# KiCad board 6502PC-6U.kicad_pcb
title: 6502PC ISA; date: 2025-12-21; rev: 12/21/2025 002; company: https://github.com/danwerner21/6502PC
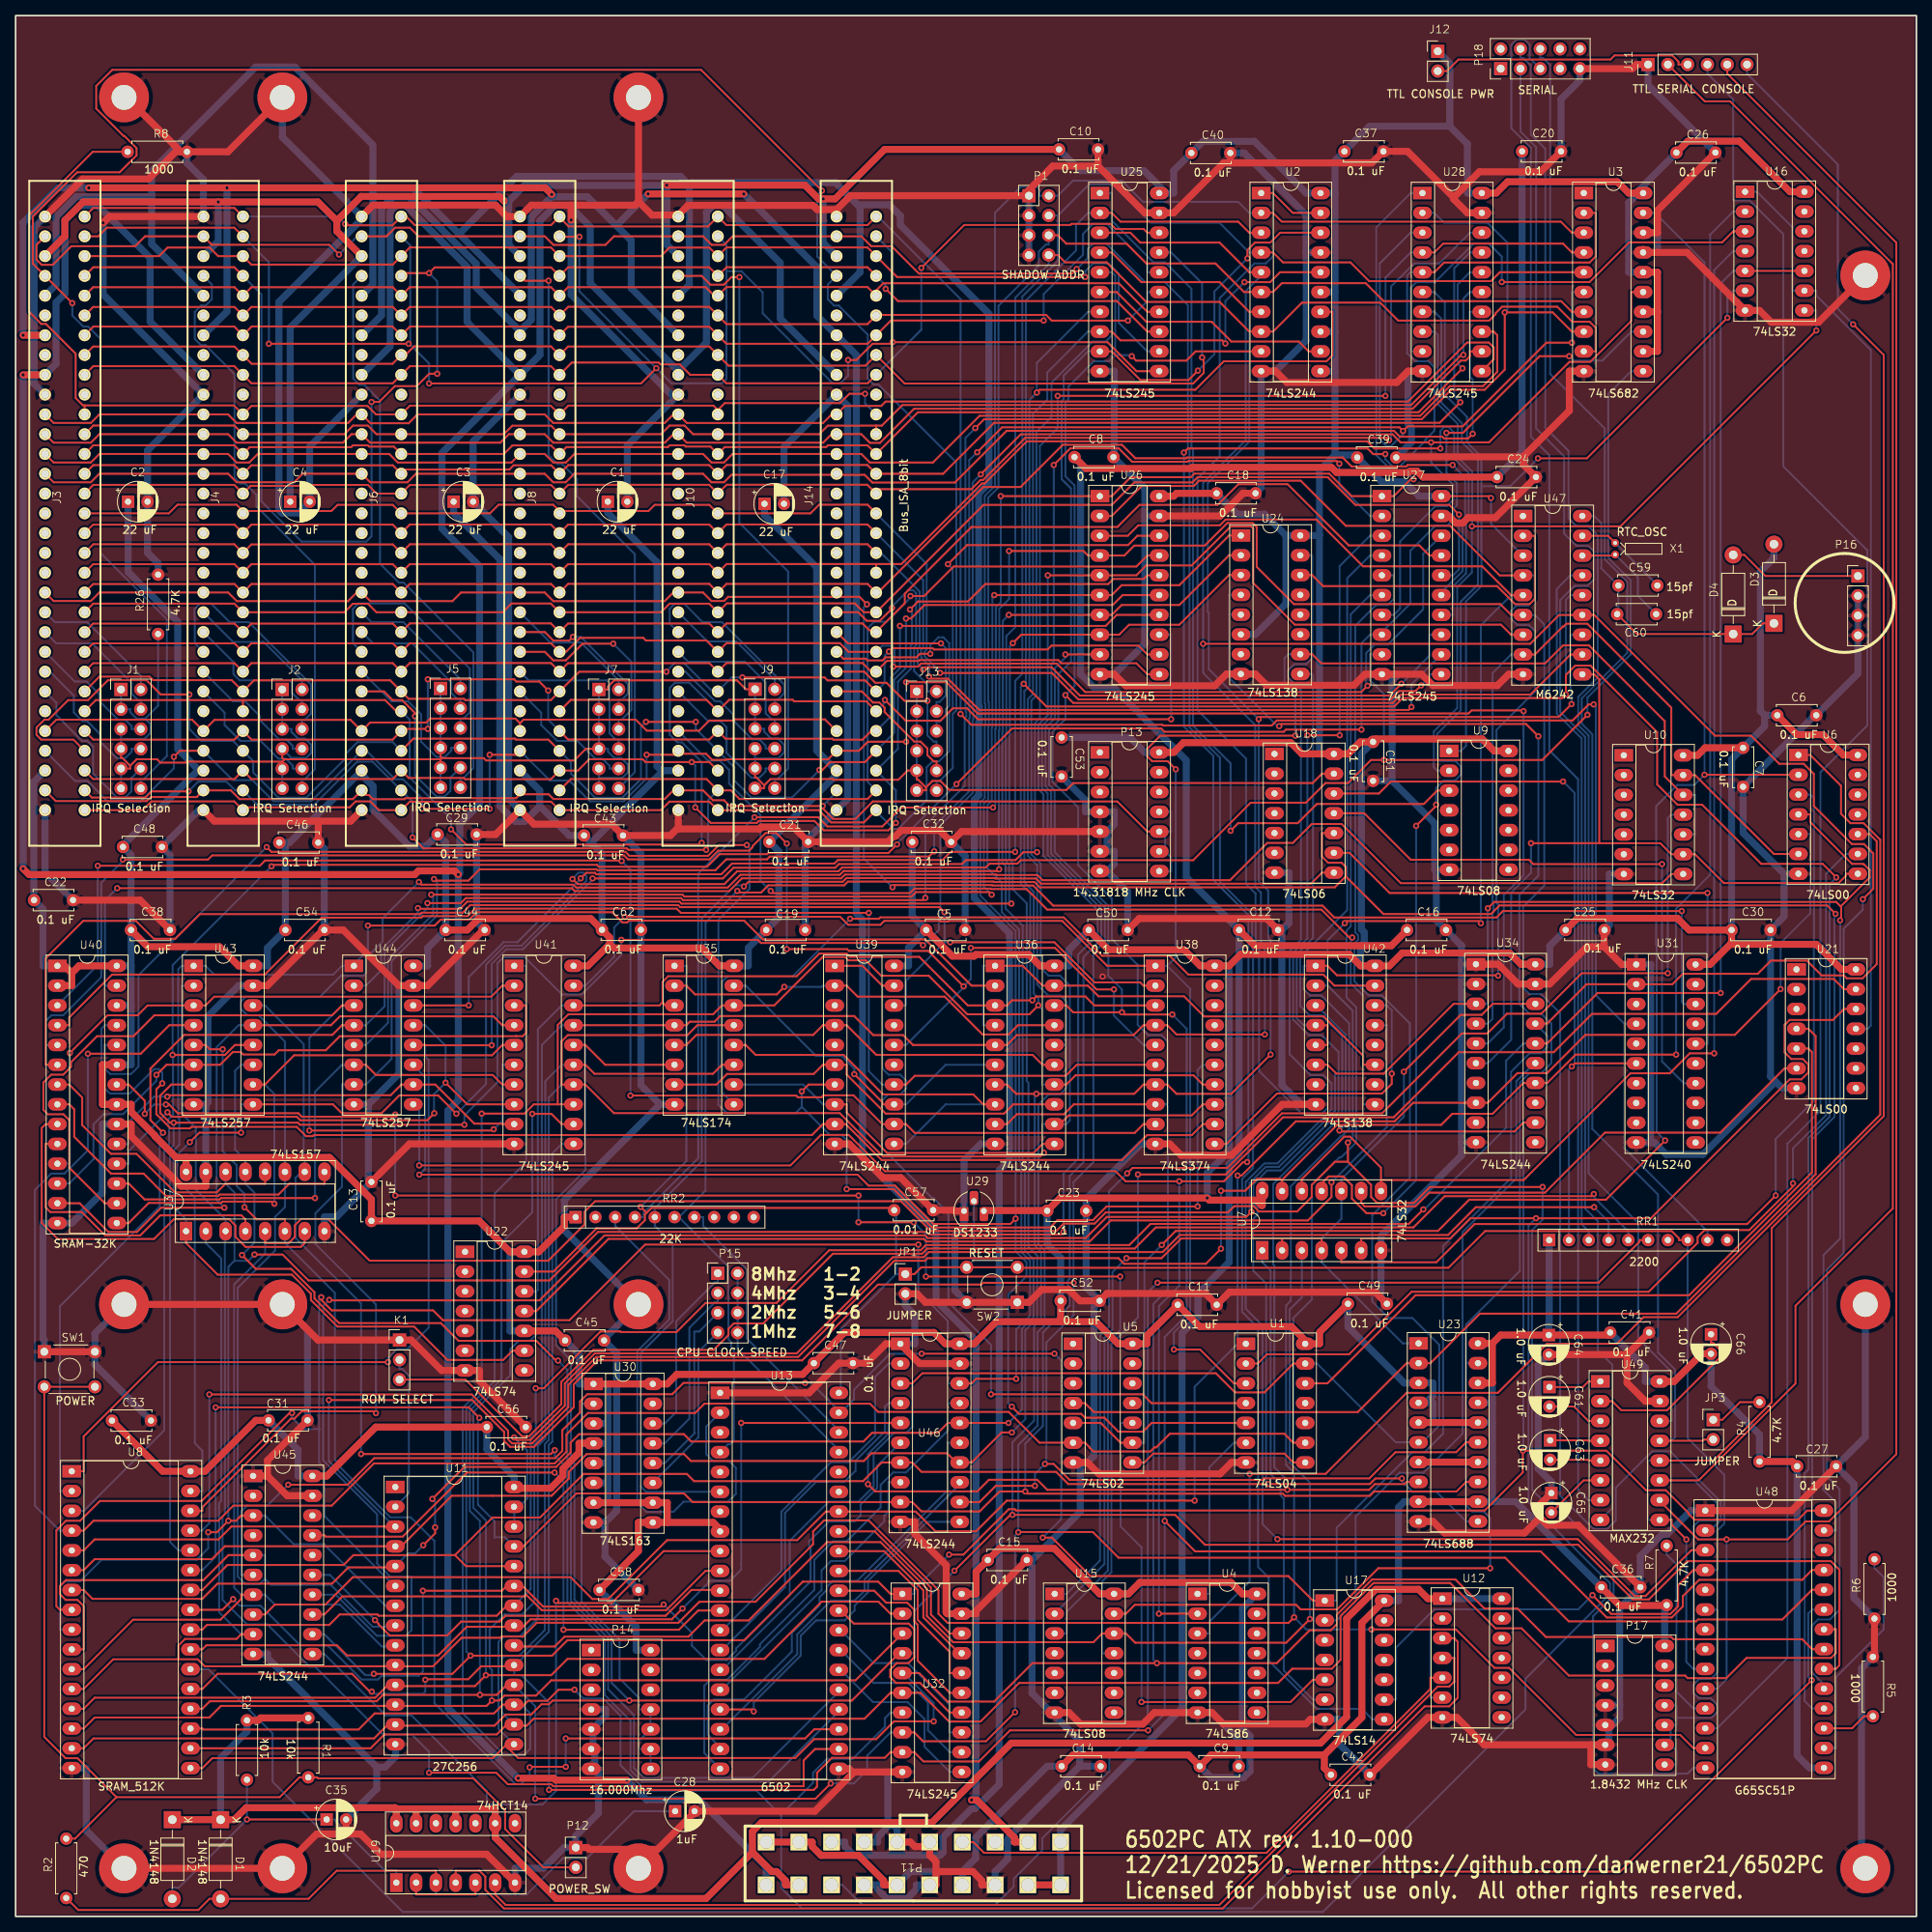
[diagram p0: board, top side]
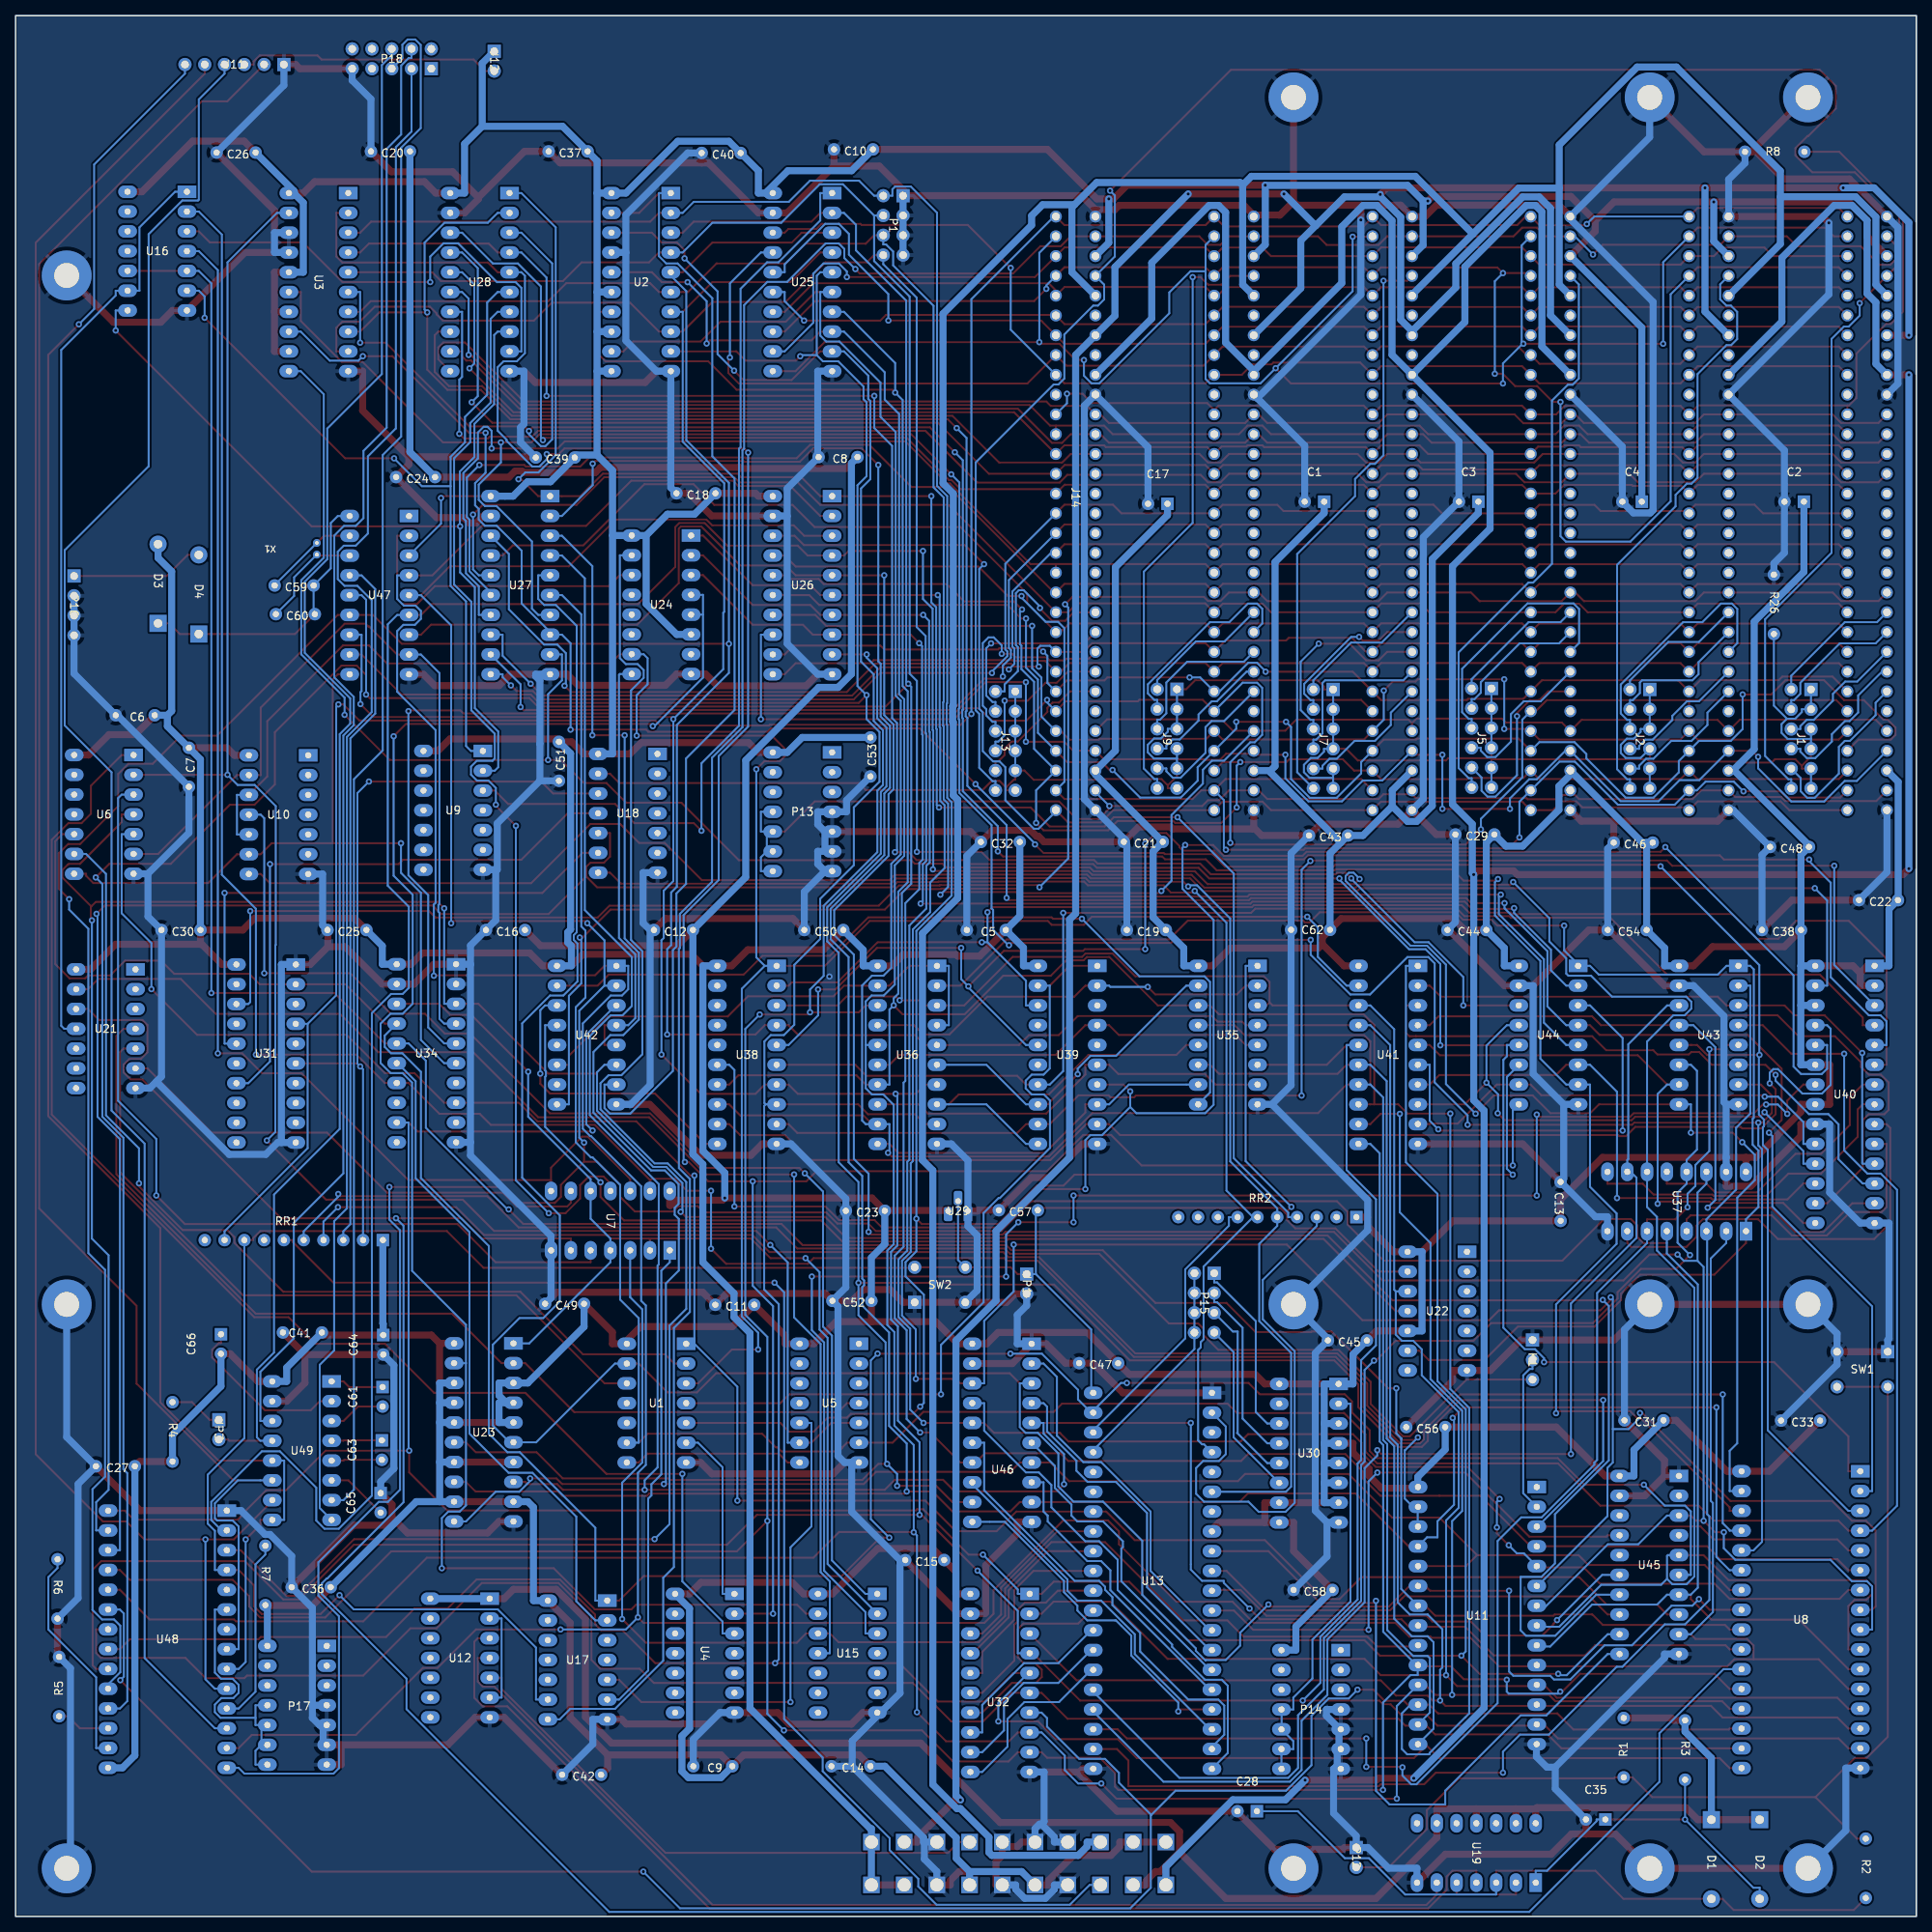
[diagram p1: board, bottom side, seen from below]

Outline 244 x 244 mm; copper layers: Top, Bottom. Coordinates in mm from the lower left corner of the outline.
Outline path: rectangle 0,244 244,0
Stack: Top 0.035mm / dielectric 1.51mm FR4 er 4.5 / Bottom 0.035mm

## Placement (name value [footprint] x y rotation side)
C1  22 uF  [STD_DDW_PCAP]  77.38 181.6 0 top
C2  22 uF  [STD_DDW_PCAP]  15.8 181.6 0 top
C3  22 uF  [STD_DDW_PCAP]  57.58 181.6 0 top
C4  22 uF  [STD_DDW_PCAP]  36.6 181.6 0 top
C5  0.1 uF  [STD_DDW_CAP]  119.39 126.64 0 top
C6  0.1 uF  [STD_DDW_CAP]  228.64 154.21 0 top
C7  0.1 uF  [STD_DDW_CAP]  221.77 147.51 270 top
C8  0.1 uF  [STD_DDW_CAP]  138.42 187.35 0 top
C9  0.1 uF  [STD_DDW_CAP]  154.5 19.3 0 top
C10  0.1 uF  [STD_DDW_CAP]  136.44 226.85 0 top
C11  0.1 uF  [STD_DDW_CAP]  151.68 78.54 0 top
C12  0.1 uF  [STD_DDW_CAP]  159.55 126.64 0 top
C13  0.1 uF  [STD_DDW_CAP]  45.65 91.78 90 top
C14  0.1 uF  [STD_DDW_CAP]  136.77 19.3 0 top
C15  0.1 uF  [STD_DDW_CAP]  127.3 45.77 0 top
C16  0.1 uF  [STD_DDW_CAP]  181.11 126.64 0 top
C17  22 uF  [STD_DDW_PCAP]  97.49 181.32 0 top
C18  0.1 uF  [STD_DDW_CAP]  156.66 182.7 0 top
C19  0.1 uF  [STD_DDW_CAP]  98.85 126.64 0 top
C20  0.1 uF  [STD_DDW_CAP]  195.88 226.59 0 top
C21  0.1 uF  [STD_DDW_CAP]  99.24 137.97 0 top
C22  0.1 uF  [STD_DDW_CAP]  4.87 130.48 0 top
C23  0.1 uF  [STD_DDW_CAP]  134.92 90.6 0 top
C24  0.1 uF  [STD_DDW_CAP]  192.65 184.78 0 top
C25  0.1 uF  [STD_DDW_CAP]  201.46 126.64 0 top
C26  0.1 uF  [STD_DDW_CAP]  215.69 226.44 0 top
C27  0.1 uF  [STD_DDW_CAP]  231.18 57.81 0 top
C28  1uF  [STD_DDW_PCAP]  86.01 13.5 0 top
C29  0.1 uF  [STD_DDW_CAP]  56.67 138.91 0 top
C30  0.1 uF  [STD_DDW_CAP]  222.77 126.64 0 top
C31  0.1 uF  [STD_DDW_CAP]  34.97 63.7 0 top
C32  0.1 uF  [STD_DDW_CAP]  117.59 137.95 0 top
C33  0.1 uF  [STD_DDW_CAP]  14.87 63.67 0 top
C35  10uF  [STD_DDW_PCAP]  41.28 12.44 0 top
C36  0.1 uF  [STD_DDW_CAP]  206.05 42.28 0 top
C37  0.1 uF  [STD_DDW_CAP]  173.07 226.59 0 top
C38  0.1 uF  [STD_DDW_CAP]  17.31 126.64 0 top
C39  0.1 uF  [STD_DDW_CAP]  174.72 187.3 0 top
C40  0.1 uF  [STD_DDW_CAP]  153.42 226.39 0 top
C41  0.1 uF  [STD_DDW_CAP]  207.18 74.98 0 top
C42  0.1 uF  [STD_DDW_CAP]  171.34 18.21 0 top
C43  0.1 uF  [STD_DDW_CAP]  75.46 138.78 0 top
C44  0.1 uF  [STD_DDW_CAP]  57.7 126.64 0 top
C45  0.1 uF  [STD_DDW_CAP]  73.03 73.96 0 top
C46  0.1 uF  [STD_DDW_CAP]  36.35 137.87 0 top
C47  0.1 uF  [STD_DDW_CAP]  104.97 71.04 0 top
C48  0.1 uF  [STD_DDW_CAP]  16.28 137.31 0 top
C49  0.1 uF  [STD_DDW_CAP]  173.52 78.66 0 top
C50  0.1 uF  [STD_DDW_CAP]  140.25 126.64 0 top
C51  0.1 uF  [STD_DDW_CAP]  174.28 148.28 270 top
C52  0.1 uF  [STD_DDW_CAP]  136.64 79.04 0 top
C53  0.1 uF  [STD_DDW_CAP]  134.3 148.84 270 top
C54  0.1 uF  [STD_DDW_CAP]  37.13 126.64 0 top
C56  0.1 uF  [STD_DDW_CAP]  62.98 62.84 0 top
C57  0.01 uF  [STD_DDW_CAP]  115.28 90.68 0 top
C58  0.1 uF  [STD_DDW_CAP]  77.45 41.93 0 top
C59  15pf  [STD_DDW_CAP]  208.24 170.87 0 top
C60  15pf  [STD_DDW_CAP]  208.08 167.19 0 top
C61  1.0 uF  [STD_DDW_PCAP]  196.88 66.6 270 top
C62  0.1 uF  [STD_DDW_CAP]  77.77 126.67 0 top
C63  1.0 uF  [STD_DDW_PCAP]  196.98 59.76 270 top
C64  1.0 uF  [STD_DDW_PCAP]  196.8 73.27 270 top
C65  1.0 uF  [STD_DDW_PCAP]  197.13 52.99 270 top
C66  1.0 uF  [STD_DDW_PCAP]  217.63 73.37 270 top
D1  1N4148  [STD_DDW_DIODE]  26.24 7.01 270 top
D2  1N4148  [STD_DDW_DIODE]  20.04 7.01 270 top
D3  D  [STD_DDW_DIODE]  225.79 171.4 90 top
D4  D  [STD_DDW_DIODE]  220.56 170.03 90 top
J1  IRQ Selection  [STD_DDW_PINHEAD_V_2x06]  14.83 151.4 0 top
J2  IRQ Selection  [STD_DDW_PINHEAD_V_2x06]  35.53 151.4 0 top
J3  Bus_ISA_8bit  [BUSPC_HOST]  5.82 182.14 90 top
J4  Bus_ISA_8bit  [BUSPC_HOST]  26.14 182.14 90 top
J5  IRQ Selection  [STD_DDW_PINHEAD_V_2x06]  55.86 151.53 0 top
J6  Bus_ISA_8bit  [BUSPC_HOST]  46.46 182.14 90 top
J7  IRQ Selection  [STD_DDW_PINHEAD_V_2x06]  76.18 151.4 0 top
J8  Bus_ISA_8bit  [BUSPC_HOST]  66.78 182.14 90 top
J9  IRQ Selection  [STD_DDW_PINHEAD_V_2x06]  96.22 151.43 0 top
J10  Bus_ISA_8bit  [BUSPC_HOST]  87.1 182.14 90 top
J11  TTL SERIAL CONSOLE  [STD_DDW_PINHEAD_V_1x06]  216.44 237.23 90 top
J12  TTL CONSOLE PWR  [STD_DDW_PINHEAD_V_1x02]  182.58 238.37 0 top
J13  IRQ Selection  [STD_DDW_PINHEAD_V_2x06]  116.98 151.16 0 top
J14  Bus_ISA_8bit  [BUSPC_HOST]  107.42 182.14 90 top
JP1  JUMPER  [STD_DDW_PINHEAD_V_1x02]  114.23 81.41 0 top
JP3  JUMPER  [STD_DDW_PINHEAD_V_1x02]  217.94 62.71 0 top
K1  ROM SELECT  [STD_DDW_PINHEAD_V_1x03]  49.31 71.46 0 top
P1  SHADOW ADDR  [STD_DDW_PINHEAD_V_2x04]  131.38 217.32 0 top
P2  CONN_1  [MountingHole_3.2mm_M3_Pad_TopBottom]  34.24 233.5 0 top
P3  CONN_1  [MountingHole_3.2mm_M3_Pad_TopBottom]  34.24 6.17 0 top
P4  CONN_1  [MountingHole_3.2mm_M3_Pad_TopBottom]  79.96 6.17 0 top
P5  CONN_1  [MountingHole_3.2mm_M3_Pad_TopBottom]  13.92 6.17 0 top
P6  CONN_1  [MountingHole_3.2mm_M3_Pad_TopBottom]  79.96 233.5 0 top
P7  CONN_1  [MountingHole_3.2mm_M3_Pad_TopBottom]  13.92 233.5 0 top
P8  CONN_1  [MountingHole_3.2mm_M3_Pad_TopBottom]  79.96 78.56 0 top
P9  CONN_1  [MountingHole_3.2mm_M3_Pad_TopBottom]  237.44 78.56 0 top
P10  CONN_1  [MountingHole_3.2mm_M3_Pad_TopBottom]  237.44 6.17 0 top
P11  CONN_10X2  [ATXConnector]  114.98 6.77 180 top
P12  POWER_SW  [STD_DDW_PINHEAD_V_1x02]  71.93 7.79 0 top
P13  14.31818 MHz CLK  [STD_DDW_DIP14]  143 141.71 0 top
P14  16.000Mhz  [STD_DDW_DIP14]  77.71 26.48 0 top
P15  CPU CLOCK SPEED  [STD_DDW_PINHEAD_V_2x04]  91.44 79 0 top
P16  CONN_4  [STD_DDW_PINHEAD_V_1x04]  236.47 167.77 0 top
P17  1.8432 MHz CLK  [STD_DDW_DIP14]  207.87 27.02 0 top
P18  SERIAL  [STD_DDW_PINHEAD_V_2x05]  195.22 238.49 90 top
P21  CONN_1  [MountingHole_3.2mm_M3_Pad_TopBottom]  237.44 210.64 0 top
P22  CONN_1  [MountingHole_3.2mm_M3_Pad_TopBottom]  13.92 78.56 0 top
P23  CONN_1  [MountingHole_3.2mm_M3_Pad_TopBottom]  34.24 78.56 0 top
R1  10k  [STD_DDW_RESISTOR]  37.34 21.7 270 top
R2  470  [STD_DDW_RESISTOR]  6.73 6.14 90 top
R3  10k  [STD_DDW_RESISTOR]  29.93 21.33 90 top
R4  4.7K  [STD_DDW_RESISTOR]  224.09 62.17 90 top
R5  1000  [STD_DDW_RESISTOR]  238.18 29.54 270 top
R6  1000  [STD_DDW_RESISTOR]  238.85 42 90 top
R7  4.7K  [STD_DDW_RESISTOR]  212.17 43.73 90 top
R8  1000  [STD_DDW_RESISTOR]  18.16 226.29 0 top
R26  4.7K  [STD_DDW_RESISTOR]  18.53 168.39 90 top
RR1  2200  [STD_DDW_SIP10]  209.47 88.72 0 top
RR2  22K  [STD_DDW_SIP10]  84.5 91.67 0 top
SW1  POWER  [STD_DDW_TACTSW]  6.97 70.19 0 top
SW2  RESET  [STD_DDW_TACTSW]  125.31 81.13 180 top
U1  74LS04  [STD_DDW_DIP14]  161.74 65.8 0 top
U2  74LS244  [STD_DDW_DIP20]  163.7 209.72 0 top
U3  74LS682  [STD_DDW_DIP20]  205.11 209.72 0 top
U4  74LS86  [STD_DDW_DIP14]  155.54 33.7 0 top
U5  74LS02  [STD_DDW_DIP14]  139.56 65.8 0 top
U6  74LS00  [STD_DDW_DIP14]  232.67 141.38 0 top
U7  74LS32  [STD_DDW_DIP14]  167.73 89.31 90 top
U8  SRAM_512K  [STD_DDW_DIP32]  14.87 38.01 0 top
U9  74LS08  [STD_DDW_DIP14]  187.84 141.9 0 top
U10  74LS32  [STD_DDW_DIP14]  210.25 141.34 0 top
U11  27C256  [STD_DDW_DIP28]  56.4 38.76 0 top
U12  74LS74  [STD_DDW_DIP14]  186.96 33.09 0 top
U13  6502  [STD_DDW_DIP40]  98.03 43.15 0 top
U15  74LS08  [STD_DDW_DIP14]  137.2 33.7 0 top
U16  74LS32  [STD_DDW_DIP14]  225.82 213.68 0 top
U17  74LS14  [STD_DDW_DIP14]  171.87 32.83 0 top
U18  74LS06  [STD_DDW_DIP14]  165.42 141.52 0 top
U19  74HCT14  [STD_DDW_DIP14]  56.58 8.15 90 top
U21  74LS00  [STD_DDW_DIP14]  232.42 113.86 0 top
U22  74LS74  [STD_DDW_DIP14]  61.51 77.61 0 top
U23  74LS688  [STD_DDW_DIP20]  183.91 62.06 0 top
U24  74LS138  [STD_DDW_DIP16]  161.1 168.28 0 top
U25  74LS245  [STD_DDW_DIP20]  143 209.72 0 top
U26  74LS245  [STD_DDW_DIP20]  143 170.82 0 top
U27  74LS245  [STD_DDW_DIP20]  179.21 170.82 0 top
U28  74LS245  [STD_DDW_DIP20]  184.41 209.72 0 top
U29  DS1233  [STD_DDW_TO92]  122.96 90.57 0 top
U30  74LS163  [STD_DDW_DIP16]  77.99 59.37 0 top
U31  74LS240  [STD_DDW_DIP20]  211.85 110.7 0 top
U32  74LS245  [STD_DDW_DIP20]  117.64 29.91 0 top
U34  74LS244  [STD_DDW_DIP20]  191.27 110.73 0 top
U35  74LS174  [STD_DDW_DIP16]  88.39 113.04 0 top
U36  74LS244  [STD_DDW_DIP20]  129.55 110.53 0 top
U37  74LS157  [STD_DDW_DIP16]  30.86 91.78 90 top
U38  74LS374  [STD_DDW_DIP20]  150.12 110.53 0 top
U39  74LS244  [STD_DDW_DIP20]  108.97 110.53 0 top
U40  SRAM-32K  [STD_DDW_DIP28_SKINNY]  9.18 105.51 0 top
U41  74LS245  [STD_DDW_DIP20]  67.82 110.53 0 top
U42  74LS138  [STD_DDW_DIP16]  170.7 113.04 0 top
U43  74LS257  [STD_DDW_DIP16]  26.67 113.04 0 top
U44  74LS257  [STD_DDW_DIP16]  47.24 113.04 0 top
U45  74LS244  [STD_DDW_DIP20]  34.3 45.04 0 top
U46  74LS244  [STD_DDW_DIP20]  117.39 62.01 0 top
U47  M6242  [STD_DDW_DIP18]  197.56 169.55 0 top
U48  G65SC51P  [STD_DDW_DIP28]  224.55 35.73 0 top
U49  MAX232  [STD_DDW_DIP16]  207.25 59.69 0 top
X1  RTC_OSC  [DDW_STD_RTCCRYSTAL]  208.88 175.58 90 top
